# KiCad board oresat-adcs-card.kicad_pcb (continued)
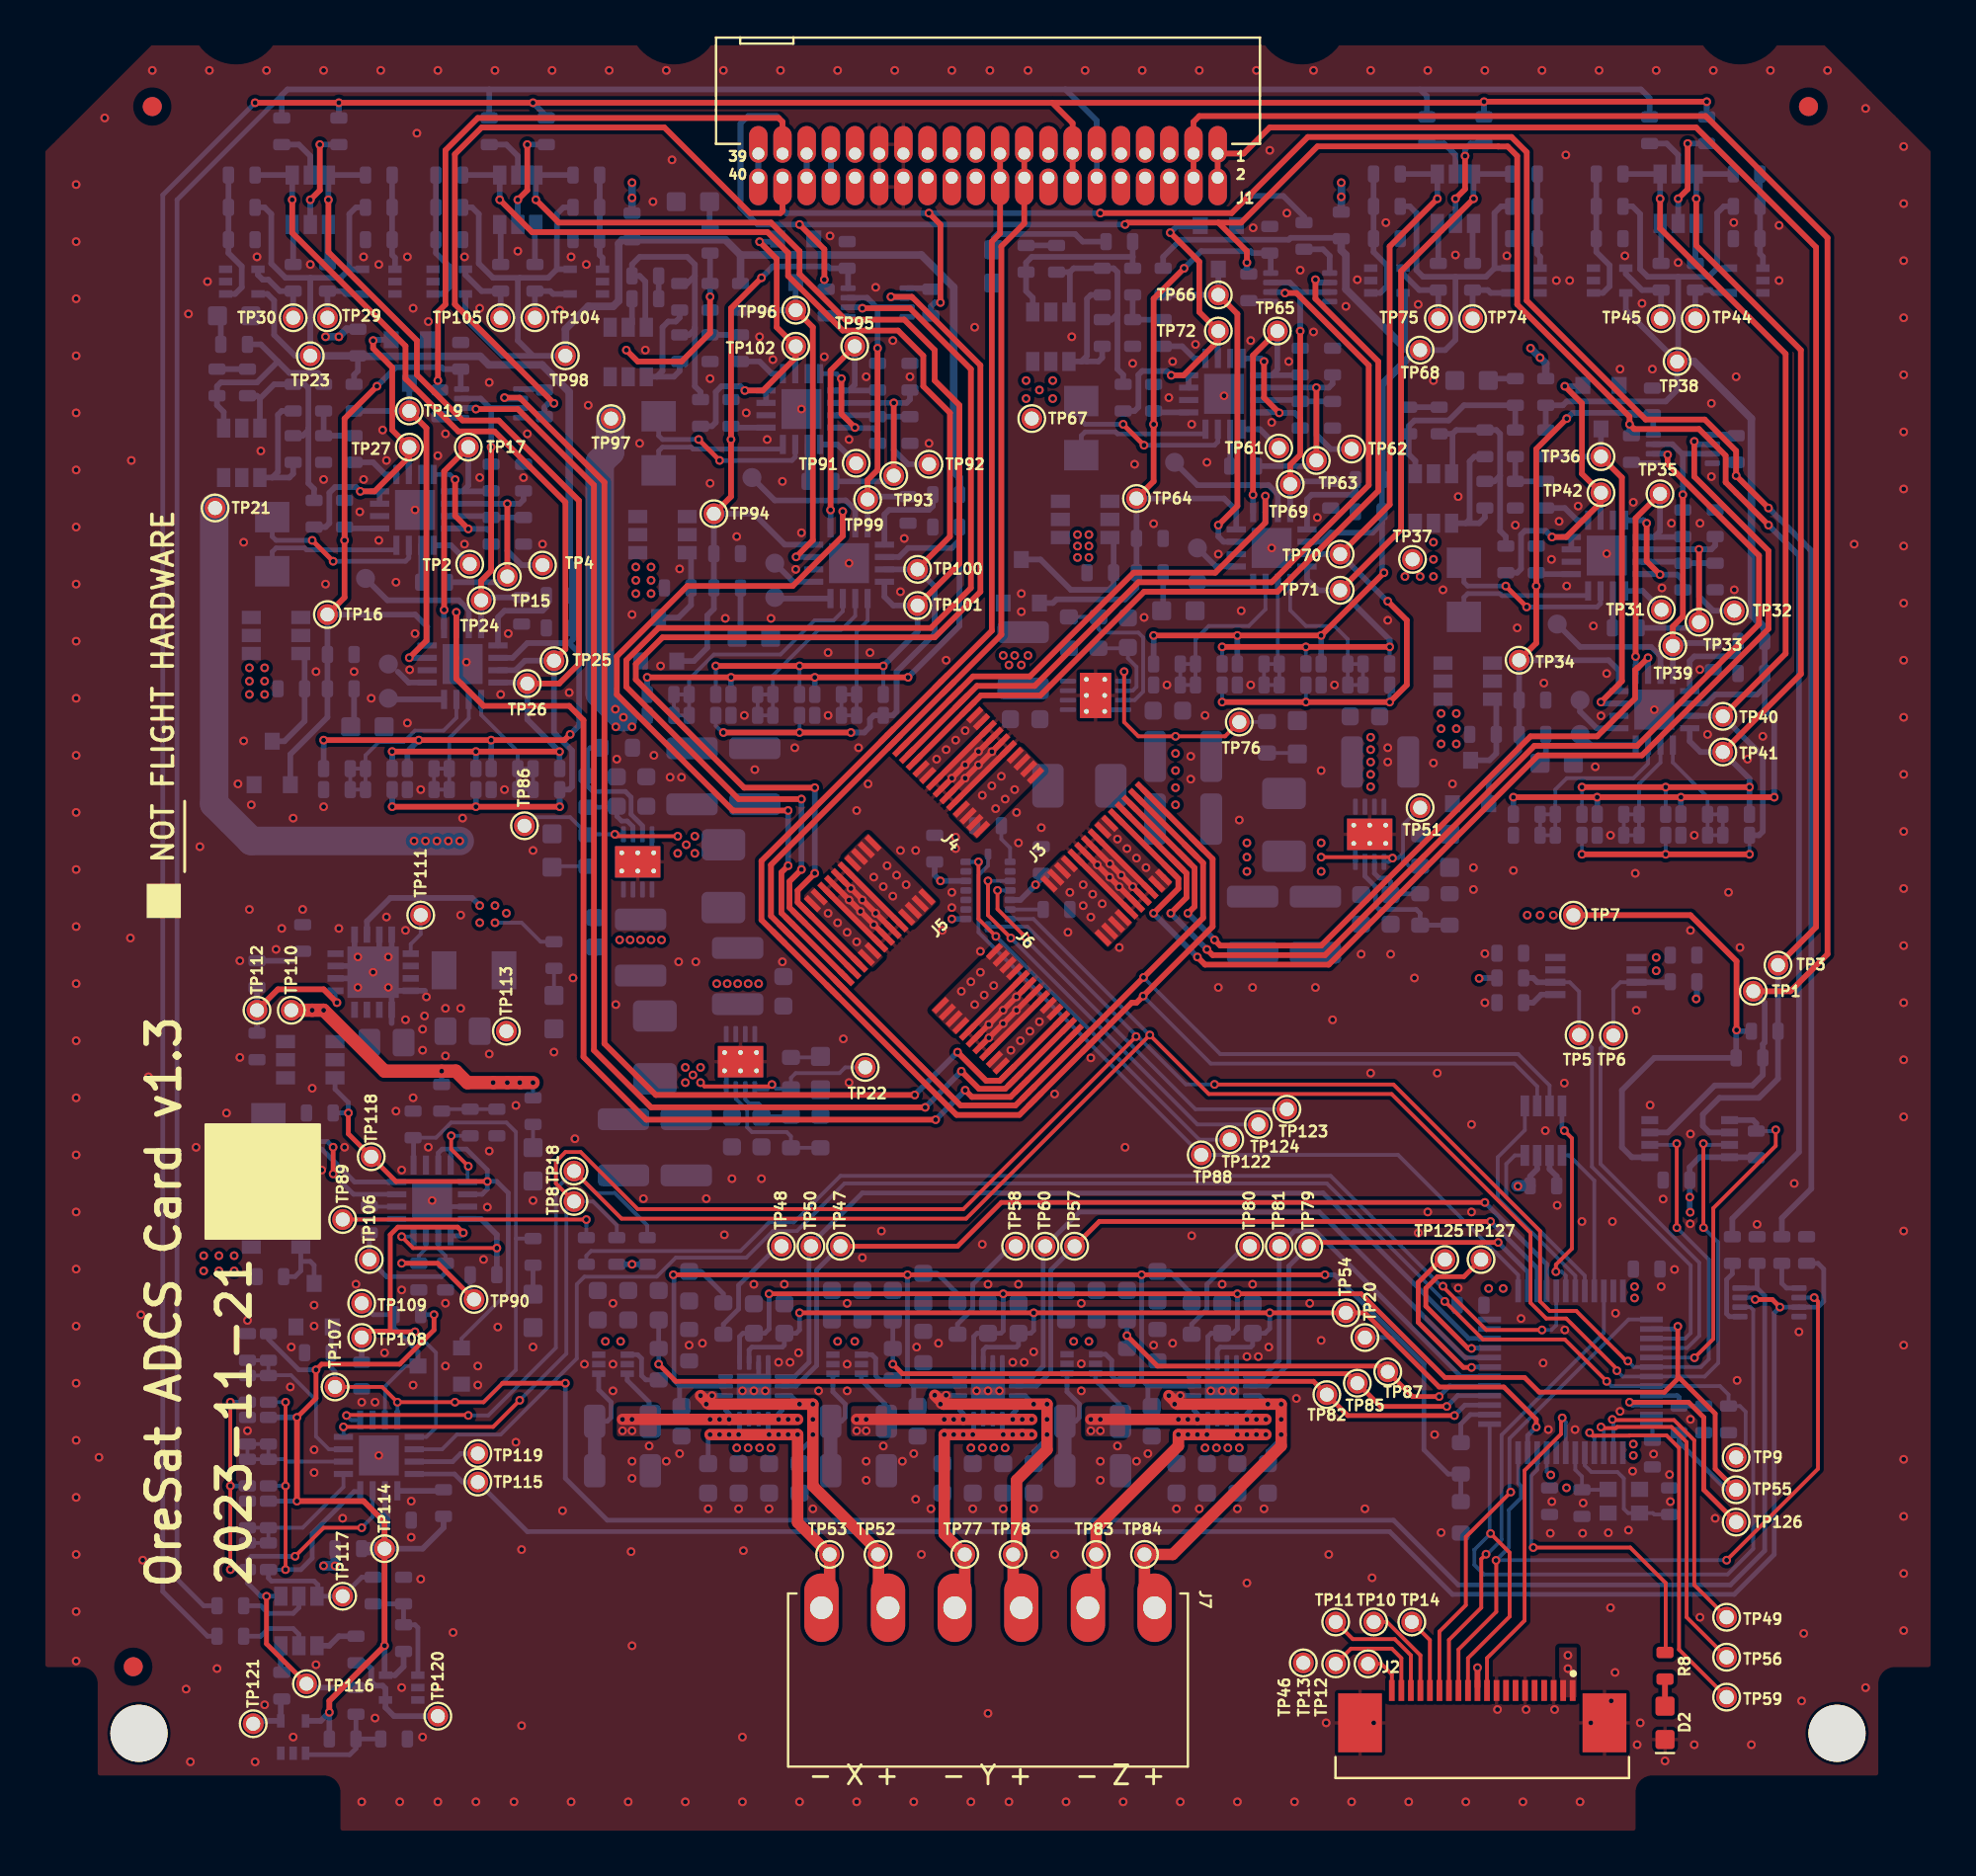
[diagram p0: board, top side]
## Routing (per net, layer and track width the routed paths; a pad name or vN(x,y) marks a point on that pad's centre or on a via; arc(x,y) is an arc through that point) (continued)
  Top w0.3: TP41.1 92.6,61.18 92.6,78.2 87.11,83.7 v1(87.11,86.16) ; v1(89.9,55.23) v1(85.5,55.23) v1(81.1,55.23)
  Bottom w0.2: R90.2 v1(81.1,55.23) ; R86.2 v1(85.5,55.23)
  Bottom w0.3: v1(87.11,86.16) Q15.6 R109.2 ; R82.2 v1(89.9,55.23) 89.9,55.68 TP41.1 87.33,57.08 86.76,57.64 U9.16
/Q1 Power Domain/~{FAULT_Q1}: length 19.1
  Top w0.3: v1(82.1,59.7) 83.2,60.8 83.2,71.5 TP36.1
  Bottom w0.3: R104.1 TP36.1 Q14.3 ; U9.7 82.18,59.63 v1(82.1,59.7)
/Q2 Power Domain/AD0_Q2: length 10.2
  Bottom w0.2: R155.1 R157.2 R156.2 R158.1 R155.1 ; R155.1 68.8,63 68.1,63.7 66.6,63.7 65.78,64.53 U17.1
/Q2 Power Domain/AD1_Q2: length 8.1
  Bottom w0.2: U17.2 65.12,61.78 R162.1 ; R162.1 R159.1 R161.2 R160.2 R162.1
/Q2 Power Domain/AD2_Q2: length 10.8
  Bottom w0.2: R166.1 R163.1 R165.2 R164.2 R166.1 ; R166.1 60.8,63 61.5,63.7 63.6,63.7 64.47,64.58 U17.3
/Q2 Power Domain/CB-RESET_Q2: length 14.7
  Top w0.3: TP65.1 63.82,77.92 v1(63.82,70.59)
  Bottom w0.3: R172.2 66.28,76.88 64.8,76.88 ; 64.8,76.88 64.16,76.88 ; 64.8,76.88 65.1,77.18 TP65.1 ; v1(63.82,70.59) 63.83,70.59 U17.9
/Q2 Power Domain/CB_CTRL_Q2: length 19.2
  Top w0.3: v1(59.53,76.88) 60.18,76.88 62,78.7 TP72.1 61,80.2 61,82.84 v1(59.47,84.37)
  Bottom w0.3: v1(59.47,84.37) 59.81,84.7 61,84.7 Q24.1 ; U18.6 61.97,79.18 TP72.1 ; U18.3 60.44,76.88 v1(59.53,76.88) 59.3,77.1 58,77.1 57.8,76.9 57.8,75.2 57.6,75 R138.1
/Q2 Power Domain/ON/~{OFF}_Q2: length 38.3
  Top w0.3: TP64.1 58.6,71.3 v1(58.6,74.3) 58.6,80.9 v1(60.2,82.5)
  Bottom w0.3: U17.8 62.94,69.76 62.3,70.4 TP64.1 R170.2 R181.2 57.7,65.7 57.1,65.1 53.5,65.1 53.31,64.91 Q23.1 ; U18.1 58.68,74.93 C23.1 v1(58.6,74.3) ; U39.8 64.75,83.25 C85.2 63.8,83.3 63.7,83.4 61.1,83.4 v1(60.2,82.5)
/Q2 Power Domain/PEN-SCL-FILT_Q2: length 46.9
  Top w0.3: TP70.1 71,70.08 71,83.65 v1(73.5,86.16) ; v1(70.9,65) 71.9,64 71.9,60.6 v1(71,59.7) v1(66.6,59.7) v1(62.2,59.7)
  Bottom w0.2: R164.1 v1(62.2,59.7) ; v1(66.6,59.7) R160.1 ; R156.1 v1(71,59.7)
  Bottom w0.3: U17.15 TP70.1 70.88,65 v1(70.9,65) ; v1(73.5,86.16) 73.5,87.46 R189.2
/Q2 Power Domain/PEN-SDA-FILT_Q2: length 44.9
  Top w0.3: TP71.1 71.6,68.78 71.6,82.35 v1(75.41,86.16) ; v1(71,62.6) v1(66.6,62.6) v1(62.2,62.6)
  Bottom w0.2: R158.2 v1(71,62.6) ; R166.2 v1(62.2,62.6) ; R162.2 v1(66.6,62.6)
  Bottom w0.3: v1(71,62.6) 71,62.98 TP71.1 67.22,65.58 66.66,66.14 U17.16 ; R185.2 Q25.6 v1(75.41,86.16)
/Q2 Power Domain/~{FAULT_Q2}: length 18.8
  Top w0.3: v1(62,69) 63,70 63,80.1 TP66.1
  Bottom w0.3: R180.1 TP66.1 Q24.3 ; v1(62,69) 62,68.4 62.28,68.13 U17.7
/Q3 Power Domain/AD0_Q3: length 9.1
  Bottom w0.2: R234.1 43,63.4 43.58,63.98 43.58,65.14 ; R234.1 R231.1 R233.2 R232.2 R234.1
/Q3 Power Domain/AD1_Q3: length 11.3
  Bottom w0.2: U25.2 42.93,64.23 42.2,63.5 41,63.5 38.6,61.1 R238.1 ; R238.1 R236.2 R237.2 R235.1 R238.1
/Q3 Power Domain/AD2_Q3: length 14.8
  Bottom w0.2: R242.1 R239.1 R241.2 R240.2 R242.1 ; R242.1 34.2,60.9 35.5,62.2 39,62.2 40.8,64 41.8,64 42.28,64.48 U25.3
/Q3 Power Domain/CB-RESET_Q3: length 14.7
  Top w0.3: TP95.1 41.63,77.13 v1(41.63,69.79)
  Bottom w0.3: R248.2 44.08,76.08 42.6,76.08 ; TP95.1 42.9,76.38 42.6,76.08 ; U25.9 41.62,69.79 v1(41.63,69.79) ; 42.6,76.08 41.96,76.08
/Q3 Power Domain/CB_CTRL_Q3: length 18.7
  Top w0.3: v1(37.9,83.89) 38.8,82.99 38.8,79.4 TP102.1 39.8,77.8 38.08,76.08 v1(37.12,76.08)
  Bottom w0.3: v1(37.9,83.89) 38.7,83.89 Q34.1 ; U26.3 38.24,76.08 v1(37.12,76.08) 36.9,76.3 35.9,76.3 35.6,76 35.6,74.4 35.4,74.2 R140.1 ; TP102.1 39.78,78.38 U26.6
/Q3 Power Domain/ON/~{OFF}_Q3: length 36.9
  Top w0.3: v1(38,82) 36.4,80.4 v1(36.4,73.5) 36.4,70.5 TP94.1
  Bottom w0.3: U25.8 39.22,67.98 37.6,69.6 TP94.1 R246.2 R257.2 35.5,64.6 35.15,64.25 35.15,62.56 34.45,61.86 Q33.1 ; v1(38,82) 38.6,82.6 41.5,82.6 41.6,82.5 C83.2 42.55,82.45 U37.8 ; v1(36.4,73.5) C33.1 36.47,74.13 U26.1
/Q3 Power Domain/PEN-SCL-FILT_Q3: length 64.3
  Top w0.3: v1(36,58.1) v1(40,58.1) v1(42.7,58.1) ; TP100.1 46.2,66.7 47.9,68.4 47.9,74.9 46.5,76.3 46.5,77.9 45.17,79.23 42.27,79.23 39.4,82.1 39.4,83.31 38.31,84.4 25.95,84.4 v1(24.25,86.1)
  Bottom w0.2: v1(36,58.1) 35.95,58.1 35.6,58.45 R240.1 ; v1(40,58.1) R236.1
  Bottom w0.3: U25.15 TP100.1 47.1,65.78 47.1,63.3 45.1,61.3 45.1,59.2 44.9,59 R232.1 43.9,59 43.7,58.8 43.7,58.4 43.4,58.1 v1(42.7,58.1) ; R265.2 Q35.4 v1(24.25,86.1)
/Q3 Power Domain/PEN-SDA-FILT_Q3: length 63
  Top w0.3: TP101.1 48.4,66.98 48.4,75.3 47.1,76.6 47.1,78.2 45.5,79.8 42.4,79.8 40,82.2 40,83.4 38.5,84.9 27.35,84.9 v1(26.15,86.1) ; v1(35.6,61.6) v1(40,61.6) v1(44.4,61.6)
  Bottom w0.2: R242.2 v1(35.6,61.6) ; v1(44.4,61.6) R234.2 ; v1(40,61.6) R238.2
  Bottom w0.3: 44.46,66.03 44.46,65.24 44.93,64.78 TP101.1 46.2,63.4 v1(44.4,61.6) ; R261.2 Q35.6 v1(26.15,86.1)
/Q3 Power Domain/~{FAULT_Q3}: length 19
  Top w0.3: TP96.1 40.7,79.4 40.7,68.21 v1(39.82,67.33)
  Bottom w0.3: U25.7 39.83,67.33 v1(39.82,67.33) ; Q34.3 TP96.1 R256.1
/Q4 Power Domain/AD0_Q4: length 8.2
  Bottom w0.2: R41.1 R44.1 R42.2 R43.2 R41.1 ; R41.1 25.2,57.1 23.28,59.03 U5.1
/Q4 Power Domain/AD1_Q4: length 7.9
  Bottom w0.2: R48.1 R46.2 R47.2 R45.1 R48.1 ; R48.1 21.6,57.82 22.62,58.84 22.62,59.84
/Q4 Power Domain/AD2_Q4: length 11.1
  Bottom w0.2: R52.1 17.2,56.9 17.9,57.6 19.2,57.6 19.8,58.2 21.3,58.2 21.98,58.88 U5.3 ; R52.1 R50.2 R51.2 R49.1 R52.1
/Q4 Power Domain/CB-RESET_Q4: length 14.7
  Top w0.3: TP17.1 21.33,71.83 v1(21.33,64.54)
  Bottom w0.3: R58.2 23.78,70.78 22.3,70.78 ; U6.9 22.3,70.78 ; 22.3,70.78 22.6,71.08 TP17.1 ; 21.33,63.56 21.33,64.54 v1(21.33,64.54)
/Q4 Power Domain/CB_CTRL_Q4: length 18.6
  Top w0.3: v1(17.6,78.7) 17.6,78.29 18.61,77.29 18.61,73.99 TP27.1 19.5,72.6 17.68,70.78 v1(16.93,70.78)
  Bottom w0.3: TP27.1 19.48,73.08 U6.6 ; U6.3 U6.4 v1(16.93,70.78) 16.7,71 15.6,71 15.3,70.7 15.3,69.1 15.1,68.9 R142.1 ; Q9.1 17.64,78.74 v1(17.6,78.7)
/Q4 Power Domain/ON/~{OFF}_Q4: length 37.8
  Top w0.3: v1(17.8,76.3) 16.1,74.6 v1(16.1,68.2) 16.1,65.2 TP16.1
  Bottom w0.3: Q8.1 13.25,56.95 15.2,58.9 R67.2 R56.2 TP16.1 19.81,64.3 20.44,63.67 U5.8 ; v1(17.8,76.3) 18.8,77.3 21.2,77.3 21.3,77.2 C86.2 22.2,76.2 U40.8 ; v1(16.1,68.2) C8.1 16.18,68.83 U6.1
/Q4 Power Domain/PEN-SCL-FILT_Q4: length 57.2
  Top w0.3: TP25.1 27.7,62.48 27.7,70.2 23.97,73.93 22.07,73.93 19.3,76.7 19.3,78.41 13.35,84.36 v1(13.35,86.1) ; v1(18.6,54.2) v1(23,54.2) v1(27.4,54.2)
  Bottom w0.3: U5.15 25.08,61.38 25.58,61.88 TP25.1 27.1,58.1 28.05,57.15 28.05,55.25 27.9,55.1 R42.1 v1(27.4,54.2) ; R75.2 Q10.4 v1(13.35,86.1) ; v1(23,54.2) R46.1 ; R50.1 v1(18.6,54.2)
/Q4 Power Domain/PEN-SDA-FILT_Q4: length 54.7
  Top w0.3: v1(27.39,57.09) 27.38,57.1 v1(23,57.1) v1(18.6,57.1) ; TP26.1 27.38,60.68 28.41,61.71 28.41,70.29 24.2,74.5 22.3,74.5 19.9,76.9 19.9,78.7 15.25,83.35 v1(15.25,86.1)
  Bottom w0.3: R52.2 v1(18.6,57.1) ; R44.2 27.39,56.21 v1(27.39,57.09) 25.7,58.78 TP26.1 25.65,60.73 24.16,60.73 ; v1(15.25,86.1) Q10.6 R71.2 ; v1(23,57.1) R48.2
/Q4 Power Domain/~{FAULT_Q4}: length 19
  Top w0.3: v1(19.5,62.03) 20.4,62.93 20.4,74.1 TP19.1
  Bottom w0.3: v1(19.5,62.03) 19.51,62.03 20.44,62.03 ; Q9.3 TP19.1 R66.1
BOOT0: length 85.9
  Top w0.2: v1(73.89,28.2) 73.9,28.2 75.9,26.2 80.2,26.2 v1(82.4,24)
  Bottom w0.2: TP9.1 89.2,20.2 89.7,20.7 89.7,22.4 89.4,22.7 R7.2 88.8,23.3 88.35,23.75 U15.44 82.65,23.75 v1(82.4,24) ; U29.10 21.23,20.43 22,21.2 24.3,21.2 28.3,25.2 28.3,29.1 28.7,29.5 32.5,29.5 33.5,30.5 37.2,30.5 38.6,31.9 39.86,31.9 42.36,34.4 67.7,34.4 73.89,28.21 v1(73.89,28.2)
BOOT0_Q1: length 40.2
  Top w0.3: J3.P$28 J3.P$3 60.75,50.98 60.75,48.95 v1(60.4,48.6) ; v1(84.57,62.03) 84.04,61.5 84,61.5 83.89,61.39 83.89,59.89 81.9,57.9 78.4,57.9 67.4,46.9 62.1,46.9 v1(61.8,47.2)
  Bottom w0.3: v1(84.57,62.03) 84.58,62.03 U9.10 ; v1(60.4,48.6) v1(61.8,47.2)
BOOT0_Q2: length 26.3
  Top w0.3: v1(64.47,70.53) 64.47,69.13 61.84,66.5 57.55,66.5 52.1,61.05 49.11,61.05 J4.P$3 J4.P$28
  Bottom w0.3: U17.10 64.47,69.66 v1(64.47,70.53)
BOOT0_Q3: length 40.5
  Top w0.3: v1(42.27,69.72) 42.27,68.43 39.64,65.8 34.1,65.8 30.4,62.1 30.4,60.1 36.5,54 v1(39.4,54) ; v1(39.4,51.1) 39.05,50.75 39.05,48.62 J5.P$3 J5.P$28
  Bottom w0.3: U25.10 42.28,69.72 v1(42.27,69.72) ; v1(39.4,54) v1(39.4,51.1)
BOOT0_Q4: length 59
  Top w0.3: v1(21.97,64.42) 21.97,62.02 21.97,60.93 23.4,59.5 27.9,59.5 28.65,58.75 28.65,41.05 31.95,37.75 v1(47.15,37.75) ; J6.P$28 J6.P$3 51.08,38.95 49.05,38.95 v1(48.7,39.3)
  Bottom w0.3: v1(47.15,37.75) v1(48.7,39.3) ; v1(21.97,64.42) 21.98,64.42 U5.10
C3-UART-RX: length 156.7
  Top w0.3: v1(55.8,85.4) 62.7,85.4 66.7,89.4 77.4,89.4 78.2,88.6 78.2,80.8 84.45,74.55 87.55,74.55 89.2,72.9 v1(89.2,71.6) v1(90.9,69.9) ; 39.11,87.26 39.11,85.51 39,85.4 37.4,85.4 32.9,89.9 23.3,89.9 21.89,88.49 21.89,80.61 v1(27.1,75.4) ; v1(46.8,85.4) 47.4,84.8 v1(47.4,80.7)
  Bottom w0.3: v1(27.1,75.4) 26.8,75.4 26.6,75.2 R120.1 ; R122.1 91.6,32.58 93.15,34.13 93.15,67.65 v1(90.9,69.9) ; v1(47.4,80.7) 47.1,80.7 46.9,80.5 R38.1 ; v1(55.8,85.4) 39.3,85.4 39.11,85.6 39.11,87.26 ; R116.1 v1(89.2,71.6) ; v1(63.6,86.3) 65.41,86.3 66.5,85.21 R118.1
C3-UART-TX: length 158.9
  Top w0.3: v1(21,76.6) 21.01,76.61 21.01,80.21 21.4,80.6 21.4,88.7 23.1,90.4 38.9,90.4 39.11,90.2 J1.37 ; v1(41.3,81.9) 41.31,81.91 41.31,83.49 v1(40,84.8) ; v1(90.9,69) 88.65,71.25 88.65,72.65 87.25,74.05 83.85,74.05 v1(83.6,74.3) 83.6,74.7 77.7,80.6 77.7,88.4 77.2,88.9 76.7,88.9 76.69,88.91 67.21,88.91 63.2,84.9 62,84.9 ; 62,84.9 63.5,83.4 v1(63.5,82.8) ; 62,84.9 57.2,84.9 v1(57.1,84.8)
  Bottom w0.3: 41.3,81.4 v1(41.3,81.9) ; v1(83.6,74.3) 83.6,73.8 R117.1 ; v1(57.1,84.8) 37.8,84.8 36.9,85.7 36.9,90.1 37.3,90.5 38.8,90.5 39.11,90.2 J1.37 ; v1(21,76.6) 21,76.2 R121.1 ; R123.1 89,32.55 92.5,36.05 92.5,67.4 v1(90.9,69) ; v1(63.5,82.8) 63.5,82.3 R119.1
CAN1_H: length 1.3
  Bottom w0.3: 41.65,87.26 J1.33
CAN1_L: length 1.3
  Bottom w0.3: J1.35 40.38,87.26
CAN2_H: length 109.1
  Top w0.3: J3.P$29 J3.P$2 61.2,51.24 61.2,48.36 v1(58.07,45.23) J6.P$29 J6.P$2 51.34,38.5 48.46,38.5 J5.P$29 J5.P$2 38.5,48.46 38.5,51.14 J4.P$29 J4.P$2 50.6,63.24 50.6,83.65 51.81,84.86 J1.17
  Bottom w0.2: v1(58.07,45.23) 62.1,41.2 77.75,41.2 79.4,39.55 U14.7
CAN2_L: length 109.9
  Top w0.3: J1.19 50.53,84.34 50.1,83.9 50.1,63.45 J4.P$1 J4.P$30 38,51.35 38,48.25 J5.P$1 J5.P$30 48.25,38 51.55,38 J6.P$1 J6.P$30 57.45,43.9 57.7,43.9 v1(58.05,44.25) 61.7,47.9 61.7,51.45 J3.P$1 J3.P$30
  Bottom w0.2: v1(58.05,44.25) 61.6,40.7 77.55,40.7 78.75,39.5 U14.6
CAN_RX: length 9.5
  Bottom w0.2: U14.4 77.58,35.88 77.12,35.42 77.12,33.68 81.25,29.55 U15.32
CAN_SHDN: length 12
  Bottom w0.2: U14.5 78.1,37.2 76.68,35.78 76.68,33.62 80.75,29.55 U15.31
CAN_TX: length 8
  Bottom w0.2: U14.1 80.43,35.88 81.75,34.55 U15.33
IMU_INT1: length 41
  Bottom w0.2: U13.16 49.9,51.1 49.4,50.6 49.4,47.6 TP88.1 71.44,35.9 77.75,29.59 U15.25
IMU_INT2: length 21.7
  Top w0.2: v1(49.4,51.3) 49.4,48.3 v1(50.31,47.39)
  Bottom w0.2: TP122.1 61,36.7 v1(50.31,47.39) ; U13.1 v1(49.4,51.3)
IMU_INT3: length 21.3
  Top w0.2: v1(50.4,49.8) 50.4,48.82 v1(51.86,47.36)
  Bottom w0.2: v1(51.86,47.36) 51.9,47.32 51.9,47.2 60.8,38.3 TP123.1 ; U13.12 v1(50.4,49.8)
IMU_INT4: length 21.7
  Top w0.2: v1(51.1,47.3) 49.9,48.5 v1(49.9,50.3)
  Bottom w0.2: U13.13 v1(49.9,50.3) ; TP124.1 60.9,37.5 v1(51.1,47.3)
MAG_PWR: length 78.7
  Top w0.3: v1(89.22,42.46) 89.22,46.08 86.8,48.5 TP7.1
  In1.Cu w0.5: TP7.1 78.2,48.5 78.2,60 76.4,61.8 76.4,71.2 62.9,84.7 60,84.7 59.5,85.2 59.5,87.18 59.43,87.26 J1.5
  Bottom w0.3: R6.1 89.2,42.4 R13.1 84.9,41 83.2,39.3 83.2,36.3 83.72,35.78 U2.1
  vias: v1(78.22,48.5) v1(78.9,48.5) v1(79.6,48.5)
MAG_READY: length 18.9
  Top w0.2: v1(87.01,25.24) 88,26.23 88,33.1 91.28,36.38 v1(91.28,37.22)
  Bottom w0.2: v1(87.01,25.24) 87,25.25 U15.41 ; R10.2 91.26,37.15
  Bottom w0.3: R10.2 90.26,37.55 90.08,37.73 U2.5
MAG_SCL: length 93.3
  Top w0.3: TP1.1 92.05,44.5 94,46.45 94,84.1 87.6,90.5 61,90.5 60.69,90.2 J1.3 60.69,87.26
  Bottom w0.3: U2.3 85.6,37.08 88.08,39.55 90.05,39.55 90.6,40.1 R13.2 90.6,41.71 90.7,41.81 90.7,43.9 TP1.1
MAG_SDA: length 87.3
  Top w0.3: TP3.1 93.4,47.88 93.4,83.6 87.1,89.9 64.7,89.9 63.33,88.53 J1.1 61.97,87.26
  Bottom w0.3: TP3.1 R6.2 91.4,39.9 90.4,38.9 88.33,38.9 87.45,38.03 87.45,37.43 87.8,37.08 U2.6
MAG_~{EN}: length 26.6
  Bottom w0.2: U1.3 83.11,44.98 82.74,44.6 82.75,44.59 TP6.1 82.08,41.5 82.08,35.43 87.26,30.24 87.26,26.39 86.62,25.75 U15.40
  Bottom w0.3: R3.1 85.71,44.98 U1.3
MAG_~{FAULT}: length 25.8
  Bottom w0.2: U15.39 86.52,26.25 86.81,26.54 86.81,30.09 81.62,35.28 81.62,41.53 TP5.1 80.95,44.49 80.46,44.98 U1.6
  Bottom w0.3: U1.6 78.76,44.98 78.54,45.2 R1.1
MT_EN: length 3.2
  Bottom w0.25: U15.45 86.11,23.25 86.2,23.16 R22.1 R129.2
MT_EN/~{FAULT}: length 81
  Top w0.25: TP55.1 88.1,19.4 88.1,22.3 86.14,24.26 ; v1(38.4,28.6) v1(50.7,28.6) v1(63,28.6) 69.5,28.6 73.9,24.2 78.08,24.2 78.85,23.43 85.43,23.43 86.14,24.14 86.14,24.26 ; 86.14,24.26 v1(86.14,26.89)
  Bottom w0.25: v1(86.14,26.89) 86,26.75 U15.38 ; v1(50.7,28.6) 50.7,26.65 50.58,26.53 C77.1 49.33,26.53 49.15,26.35 U16.13 ; v1(38.4,28.6) 38.4,26.75 38.18,26.53 C17.1 37.03,26.53 36.85,26.35 U3.13 ; U22.13 61.45,26.35 61.62,26.53 C66.1 62.78,26.53 63,26.75 v1(63,28.6) ; R22.2 86.2,20.8 88.7,18.3 TP55.1
MT_ILIM: length 2.7
  Bottom w0.25: U15.14 75.24,22.25 74.74,21.75 R20.2
MT_STBY/RST: length 58.1
  Top w0.25: v1(40,27.6) v1(52.3,27.6) v1(64.7,27.6) TP54.1 69.7,27.6 73.6,23.7 77,23.7 78.7,22 v1(78.7,21.6)
  Bottom w0.25: U16.14 49.65,25.65 49.8,25.8 51.4,25.8 51.5,25.9 C55.1 52.15,26.53 52.3,26.68 v1(52.3,27.6) ; U3.14 37.35,25.65 37.5,25.8 39.1,25.8 39.2,25.9 C18.1 39.83,26.53 40,26.7 v1(40,27.6) ; v1(64.7,27.6) 64.7,26.78 64.45,26.53 C67.1 63.8,25.9 63.7,25.8 62.1,25.8 61.95,25.65 U22.14 ; v1(78.7,21.6) 78.25,21.15 U15.11
MT_X_ISENSE: length 47.3
  Top w0.25: v1(74.4,22.2) 68.8,22.2 67,24 33.5,24 v1(32.6,24.9)
  Bottom w0.25: v1(74.4,22.2) 74.95,22.75 U15.15 ; v1(32.6,24.9) R130.2 C100.1
MT_X_OUT_A: length 24.9
  Top w0.6: v1(34.8,23.25) 35.25,22.8 v1(40.7,22.8) 40.7,18.5 44.12,15.08 TP52.1 44.15,14.87 44.15,12.6 J7.5
  Bottom w0.25: v1(34.8,23.25) U3.10 ; C40.1 40,20.3 40.7,21 v1(40.7,21.2) ; v1(40,22.8) 39.55,23.25 U3.3
  Bottom w0.4: v1(40.7,21.2) v1(40.7,22) v1(40.7,22.8) v1(40,22.8)
  vias: v1(35.1,22.8) v1(35.4,23.25)
MT_X_OUT_B: length 20.8
  Top w0.6: v1(35.3,21.2) v1(39.9,21.2) 39.9,16.58 TP53.1 41.58,12.53 J7.6
  Bottom w0.25: v1(38.4,21.2) 38.35,21.25 U3.5 ; v1(35.3,21.2) 35.2,21.1 C27.1 ; v1(36.8,21.2) 36.85,21.25 U3.8
  Bottom w0.4: v1(38.4,21.2) v1(39.9,21.2) ; v1(36.8,21.2) v1(35.3,21.2)
  vias: v1(35.8,21.2) v1(36.3,21.2) v1(38.9,21.2) v1(39.4,21.2)
MT_X_PHASE: length 47.9
  Bottom w0.25: U3.1 39.75,24.25 40.5,25 40.5,31 TP50.1 40.6,31.2 43.3,33.9 67.5,33.9 75.15,26.25 U15.22
MT_X_PWM: length 49.8
  Top w0.25: TP47.1 48.3,31.1 50.6,33.4 v1(76,33.4)
  Bottom w0.25: v1(76,33.4) 79.25,30.15 U15.28 ; U3.2 39.82,23.75 40.9,24.83 40.9,29.85 TP47.1
MT_Y_ISENSE: length 34.8
  Top w0.25: v1(44.9,24.9) 45.4,24.4 68.8,24.4 70.52,22.68 v1(74,22.68)
  Bottom w0.25: v1(44.9,24.9) R131.2 C101.1 ; U15.16 74.57,23.25 v1(74,22.68)
MT_Y_OUT_A: length 24.1
  Top w0.6: v1(47.1,23.27) 47.57,22.8 v1(53,22.8) 53,20.4 51.4,18.8 51.4,14.9 51.22,14.72 51.22,12.53 J7.3
  Bottom w0.25: v1(53,21.2) 53,21 52.3,20.3 C61.1 ; U16.3 51.85,23.25 v1(52.3,22.8) ; 47.25,23.25 U16.10
  Bottom w0.4: v1(53,21.2) v1(53,22) v1(53,22.8) v1(52.3,22.8)
  vias: v1(47.4,22.8) v1(47.7,23.27)
MT_Y_OUT_B: length 20.6
  Top w0.6: J7.4 48.68,12.63 TP77.1 47.6,15.98 v1(47.6,21.2) v1(49.1,21.2) v1(51.7,21.2) v1(52.2,21.2)
  Bottom w0.25: U16.5 50.65,21.25 v1(50.7,21.2) ; C59.1 47.5,21.1 v1(47.6,21.2) ; v1(49.1,21.2) 49.15,21.25 U16.8
  Bottom w0.4: v1(49.1,21.2) v1(47.6,21.2) ; v1(52.2,21.2) v1(51.7,21.2) v1(50.7,21.2)
  vias: v1(48.1,21.2) v1(48.6,21.2) v1(51.2,21.2)
MT_Y_PHASE: length 35.2
  Bottom w0.25: U15.20 74.95,25.25 67.3,32.9 54.7,32.9 TP60.1 52.8,31 52.8,24.8 52.25,24.25 U16.1
MT_Y_PWM: length 36.3
  Top w0.25: TP57.1 55.75,32.4 v1(76.3,32.4)
  Bottom w0.25: v1(76.3,32.4) 78.75,29.95 U15.27 ; U16.2 52.45,23.75 53.2,24.5 53.2,29.85 TP57.1
MT_Z_ISENSE: length 22.1
  Top w0.25: v1(57.2,26.4) 58.8,24.8 70.6,24.8 72.2,23.2 v1(73.6,23.2)
  Bottom w0.25: v1(73.6,23.2) 74.15,23.75 U15.17 ; C102.1 v1(57.2,26.4) R132.2
MT_Z_OUT_A: length 27.4
  Top w0.6: J7.1 58.12,12.63 TP84.1 59.6,14.9 65.3,20.6 v1(65.3,21.2) v1(65.3,22.8) v1(64.6,22.8) 59.85,22.8 v1(59.4,23.25)
  Bottom w0.25: v1(59.4,23.25) U22.10 ; v1(65.3,21.2) 65.3,21 64.6,20.3 C73.1 ; U22.3 64.15,23.25 v1(64.6,22.8)
  Bottom w0.4: v1(65.3,21.2) v1(65.3,22) v1(65.3,22.8) v1(64.6,22.8)
  vias: v1(59.7,22.8) v1(60,23.25)
MT_Z_OUT_B: length 21.9
  Top w0.6: J7.2 55.58,12.53 55.58,16.28 59.9,20.6 v1(59.9,21.2) v1(61.4,21.2) v1(64,21.2) v1(64.5,21.2)
  Bottom w0.25: v1(61.4,21.2) 61.45,21.25 U22.8 ; U22.5 62.95,21.25 v1(63,21.2) ; C71.1 59.8,21.1 v1(59.9,21.2)
  Bottom w0.4: v1(63,21.2) v1(64,21.2) v1(64.5,21.2) ; v1(61.4,21.2) v1(59.9,21.2)
  vias: v1(60.4,21.2) v1(60.9,21.2) v1(63.5,21.2)
MT_Z_PHASE: length 22.4
  Bottom w0.25: U15.18 74.75,24.25 67.1,31.9 66,31.9 TP81.1 65.2,25.1 64.35,24.25 U22.1
MT_Z_PWM: length 22.3
  Top w0.25: TP79.1 66.95,31.3 v1(76.7,31.3)
  Bottom w0.25: U15.26 78.25,29.75 v1(76.7,31.3) ; U22.2 64.55,23.75 65.7,24.9 65.7,30.05 TP79.1
NRESET: length 17.7
  Top w0.2: 76.11,7.95 76.11,9.45 78.09,11.42 78.09,19.31 80,21.23 80,22.1
  Bottom w0.2: 80,22.1 80.25,21.85 U15.7
  vias: v1(80.06,22.08)
OPD_PWR: length 175.6
  In1.Cu w0.5: 54.83,91.73 63.77,91.73 68.46,87.04 68.46,86.2 70.5,86.2 v1(78.9,77.8) ; 54.83,91.73 34.1,91.73 31.2,88.83 31.2,80.9 29.2,78.9 19.9,78.9 19.4,79.4 17.17,79.4 16.67,78.9 6,78.9 3.3,76.2 3.3,27.8 8.4,22.7 8.4,18.71 11.21,15.9 13.3,15.9 14.9,14.3 v1(15.6,14.3) ; 54.83,91.73 53.08,89.97 53.08,87.26
  Bottom w0.4: R154.1 v1(68.46,86.26) v1(68.46,87) ; v1(15.1,78.9) v1(15.8,78.9) 16.2,79.3 R40.1 ; 79.2,77.26 79.2,77.5 v1(78.4,78.3) ; R230.1 v1(31.2,86.2) v1(31.2,87) ; 79.2,77.2 R78.1
  Bottom w0.5: R200.1 v1(15.6,14.3) v1(15,14.3)
OPD_SCL: length 168.2
  Top w0.3: 53.27,91.2 54.34,90.13 J1.13 54.34,87.26 ; 53.27,91.2 v1(26,91.2) v1(15.8,91.2) v1(11.4,91.2) ; 53.27,91.2 75.9,91.2 v1(75.96,91.26) v1(87.66,91.26)
  Bottom w0.25: v1(11.4,91.2) 6.55,86.35 6.55,12.95 8.9,10.6 R271.1
  Bottom w0.3: v1(15.8,91.2) R73.1 ; R263.1 26.7,90.5 v1(26,91.2) ; v1(75.96,91.26) R187.1 ; v1(87.66,91.26) R111.1
OPD_SDA: length 165.7
  Bottom w0.25: 12.8,91.6 7.3,86.1 7.3,13.6 8.7,12.2 R213.1
  Bottom w0.3: 23.7,91.9 53.97,91.9 ; 23.7,91.9 13.1,91.9 12.8,91.6 R53.1 ; 23.7,91.9 R243.1 ; 53.97,91.9 84.2,91.9 84.66,91.45 R91.1 ; 53.97,91.9 55.61,90.26 55.61,88.54 J1.11 55.62,87.26 ; 72.6,91.9 72.96,91.55 R167.1
PA2/USART2_TX: length 42.5
  Top w0.2: v1(76.59,14.59) 76.6,14.58 76.6,11.89 74.61,9.9 74.61,7.95 ; v1(93.3,28.4) 93.5,28.2 93.5,19.4 v1(88.7,14.6)
  Bottom w0.2: v1(93.3,28.4) U41.2 ; v1(88.7,14.6) 76.6,14.6 v1(76.59,14.59) 77.26,15.26 77.26,17.23 77.9,17.87 77.9,18.5 77.75,18.65 U15.12
PA3/USART2_RX: length 45.9
  Top w0.2: v1(76.3,16) 77.3,15 77.3,11.64 75.11,9.45 75.11,7.95
  Bottom w0.2: U15.13 76.25,16.05 v1(76.3,16) 75.45,15.15 75.45,14.35 75.95,13.85 88.75,13.85 90.1,15.2 90.1,27.75 89.95,27.9 U41.6
PA8/POUTPROT: length 58.4
  Top w0.2: v1(73.8,29) 73.8,28.98 76.08,26.7 79,26.7 v1(79,26.7)
  Bottom w0.2: R9.2 28.8,30.6 29.05,30.85 36.9,30.85 38.4,32.35 39.7,32.35 42.15,34.8 67.9,34.8 73.7,29 v1(73.8,29) ; U15.29 79.75,26.95 79.5,26.7 v1(79,26.7)
PA9/CAN_SILENT: length 10.7
  Top w0.2: v1(79.73,29.76) 79.73,30.13 80.58,30.98 80.58,36.78 v1(80.18,37.18)
  Bottom w0.2: U15.30 80.25,29.55 80.04,29.76 v1(79.73,29.76)
  Bottom w0.25: v1(80.18,37.18) 80.05,37.3 U14.8
PB6/SCL: length 126.9
  Top w0.2: v1(61.8,39.61) 61.81,39.6 71.2,39.6 78.9,31.9 78.9,28.2 79.4,27.7 80.8,27.7 83.44,25.06 v1(83.51,25.06) ; v1(16.04,21.6) 23.9,21.6 v1(25.3,23) ; v1(86.08,36.49) 86.08,32.08 v1(86.09,32.08) ; v1(57.68,42.12) 48.61,33.05 31.5,33.05 28.5,36.05 27.7,36.05 27.2,35.55 27.2,34.4 TP8.1
  Bottom w0.2: 86.06,36.43 U2.2 ; U13.8 51.97,47.89 57.68,42.18 v1(57.68,42.12) 57.78,42.12 60.29,39.61 v1(61.8,39.61) ; R11.1 30.4,32.2 29.15,33.45 TP8.1 27.75,33.05 27.75,25.45 v1(25.3,23) ; 86.06,32.1 87.76,30.4 87.76,25.16 87.35,24.75 U15.42 83.83,24.75 v1(83.51,25.06) ; v1(16.04,21.6) U29.4
PB7/SDA: length 126.9
  Top w0.2: v1(87.48,36.49) 87.48,32.08 v1(87.49,32.08) ; v1(22.6,22.21) 22.46,22.21 22.46,22.23 16.23,22.23 v1(16.2,22.2) ; TP18.1 30.65,32.55 48.75,32.55 v1(58.4,42.2) 61.5,39.1 71.1,39.1 78.4,31.8 78.4,28.12 79.22,27.3 80.28,27.3 82.94,24.64 v1(82.94,24.56)
  Bottom w0.2: v1(82.94,24.56) 83.24,24.25 U15.43 87.55,24.25 88.26,24.96 88.26,31.3 v1(87.49,32.08) ; v1(16.2,22.2) 16.44,21.96 U29.5 ; R12.1 32,32.2 30.3,33.9 29.3,33.9 TP18.1 27.2,34.1 27.2,25.76 23.65,22.21 v1(22.6,22.21) ; U13.9 52.29,48.3 58.39,42.2 v1(58.4,42.2) ; 87.46,36.43 U2.7
POUT: length 16.6
  Top w0.2: v1(28.8,32.5) 28.8,32.5 TP89.1
  Bottom w0.2: TP89.1 18.82,32.5 U30.13 ; R9.1 v1(28.8,32.5)
SWCLK: length 24.6
  Top w0.2: v1(77.36,18.18) 75,15.82 75,12.24 73.61,10.85 73.61,7.95
  Bottom w0.2: U15.37 83.55,27.25 77.29,20.99 77.29,18.2
SWDIO: length 24.2
  Top w0.2: v1(76.06,14.91) 75.81,14.66 75.81,12.1 74.11,10.41 74.11,7.95
  Bottom w0.2: U15.34 82.25,26.55 76.88,21.18 76.88,15.67 76.12,14.91 v1(76.06,14.91)
UART_RX_Q1: length 57.8
  Top w0.3: v1(59.5,48.6) 60.33,49.43 60.33,50.7 J3.P$4 J3.P$27 ; v1(85.6,72.7) 85.6,72.2 90.4,67.4 90.4,63.8 84,57.4 78.6,57.4 67.6,46.4 61.7,46.4 v1(61.4,46.7)
  Bottom w0.3: v1(85.6,72.7) 85.55,72.75 U38.6 ; v1(59.5,48.6) v1(61.4,46.7)
UART_RX_Q2: length 43.2
  Top w0.3: J4.P$27 J4.P$4 49.32,60.55 52.35,60.55 57.8,66 64.8,66 69.9,71.1 69.9,77.4 66.1,81.2 v1(65.5,81.2)
  Bottom w0.3: U39.6 65.45,81.25 v1(65.5,81.2)
UART_RX_Q3: length 62.7
  Top w0.3: J5.P$27 J5.P$4 39.47,48.9 39.47,50.27 v1(40.1,50.9) ; v1(43.3,80.4) 45.8,80.4 49,77.2 49,65.7 46.89,63.59 32.59,63.59 30.9,61.9 30.9,60.5 36.8,54.6 v1(40.1,54.6)
  Bottom w0.3: v1(40.1,54.6) v1(40.1,50.9) ; v1(43.3,80.4) 43.25,80.45 U37.6
UART_RX_Q4: length 67
  Top w0.3: v1(48.5,40.3) 49.43,39.37 50.8,39.37 J6.P$4 J6.P$27 ; v1(46.6,38.4) 32.2,38.4 29.2,41.4 29.2,71.1 25.2,75.1 v1(23,75.1)
  Bottom w0.3: v1(48.5,40.3) v1(46.6,38.4) ; v1(23,75.1) 22.95,75.15 U40.6
UART_TX_Q1: length 60.2
  Top w0.3: v1(60.9,46.3) 61.3,45.9 67.8,45.9 78.8,56.9 84.25,56.9 90.9,63.55 90.9,67.65 87,71.55 v1(87,73.4) ; J3.P$26 J3.P$5 59.9,50.42 59.9,49.9 v1(58.6,48.6)
  Bottom w0.3: U38.2 87.15,73.25 v1(87,73.4) ; v1(58.6,48.6) v1(60.9,46.3)
UART_TX_Q2: length 43.6
  Top w0.3: J4.P$26 J4.P$5 49.53,60.05 52.65,60.05 58.1,65.5 65.1,65.5 70.4,70.8 70.4,77.6 67.1,80.9 v1(67.1,81.9)
  Bottom w0.3: U39.2 67.25,81.75 v1(67.1,81.9)
UART_TX_Q3: length 62.2
  Top w0.3: v1(40.8,55.2) 37.09,55.2 31.4,60.89 31.4,61.7 32.8,63.1 47.1,63.1 49.5,65.5 49.5,77.4 45.9,81 v1(44.8,81) ; v1(40.8,50.7) 39.9,49.8 39.9,49.18 J5.P$5 J5.P$26
  Bottom w0.3: U37.2 44.85,80.95 v1(44.8,81) ; v1(40.8,55.2) v1(40.8,50.7)
UART_TX_Q4: length 65.5
  Top w0.3: v1(48.3,41.3) 49.8,39.8 50.52,39.8 J6.P$5 J6.P$26 ; v1(46.05,39.05) 32.45,39.05 29.75,41.75 29.75,71.25 25.3,75.7 v1(24.5,75.7)
  Bottom w0.3: U40.2 24.55,75.65 v1(24.5,75.7) ; v1(48.3,41.3) v1(46.05,39.05)
VPD: length 53.4
  Top w0.25: v1(20.8,27.5) 20.8,26.7 19,24.9 14.9,24.9 v1(14.6,24.6) 14.6,23.1 v1(13.6,22.1)
  Top w0.3: v1(15.3,6.6) 15.3,7.2 v1(18.2,10.1) TP114.1 18.2,16.6 17.1,17.7 v1(13.6,17.7) v1(13.6,22.1)
  Bottom w0.2: R209.2 12.1,26.2
  Bottom w0.25: v1(14.6,24.6) 13.7,24.6 12.1,26.2 ; v1(20.8,27.5) R226.2 ; v1(13.6,17.7) R201.2
  Bottom w0.3: U29.14 18.23,16.73 C43.2 TP114.1 20.2,15.2 21.3,16.3 R214.2 ; v1(18.2,10.1) 18.2,8.6 U33.5 18.75,8.55 19.2,9 R270.2 ; R205.2 v1(13.6,22.1) ; U32.5 14.85,6.15 v1(15.3,6.6) R274.2 ; R200.2 17.2,15.2
  Bottom w0.7: 17.2,15.2 TP114.1
VPD_Q1: length 78.4
  Top w0.3: v1(91.2,54.7) v1(86.3,54.7) v1(81.9,54.7) v1(77.5,54.7)
  Bottom w0.3: v1(86.3,54.7) R79.2 ; 90.7,60.5 90.7,59.3 91.2,58.8 v1(91.2,54.7) ; 90.7,60.5 90.3,60.1 88.1,60.1 87.62,59.63 U9.14 ; 90.7,60.5 C11.2 R92.2 ; 86.16,82.06 87.75,82.06 88.21,82.51 ; 86.16,82.06 84.56,82.06 84.16,82.46 84.16,85.36 83.75,85.76 R114.2 ; 86.16,82.06 86.16,77.66 TP38.1 ; 88.21,82.51 88.21,85.41 88.56,85.76 R110.2 ; 88.21,82.51 88.91,82.51 ; TP38.1 86.1,76.1 85.5,75.5 80.3,75.5 80.1,75.3 R78.2 R104.2 ; TP38.1 83.41,80.3 U11.5 ; R87.2 v1(77.5,54.7) ; v1(81.9,54.7) R83.2
  Bottom w0.4: R92.2 90.7,63.6 90,64.3 90,74.6 87,77.6 TP38.1
VPD_Q2: length 75.3
  Top w0.3: v1(70.7,66.5) v1(67.4,63.2) v1(63,63.2) v1(58.6,63.2)
  Bottom w0.3: v1(70.7,66.5) 70.6,66.6 C21.2 ; R163.2 v1(58.6,63.2) ; 74.46,82.06 74.46,78.74 73.91,78.2 TP68.1 ; 74.46,82.06 72.75,82.06 72.41,82.41 72.41,85.41 72.06,85.76 R190.2 ; 74.46,82.06 76.06,82.06 76.5,82.51 ; C21.2 R168.2 ; C21.2 70.6,69.1 70.1,68.6 67.9,68.6 67.43,68.13 U17.14 ; R180.2 59.1,83.1 60,84 65.7,84 65.8,84.1 68.41,84.1 R154.2 ; 76.5,82.51 77.21,82.51 ; 76.5,82.51 76.5,85.41 76.86,85.76 R186.2 ; v1(63,63.2) R159.2 ; R155.2 v1(67.4,63.2)
  Bottom w0.4: R154.2 68.46,83.45 68.7,83.2 68.7,81.4 71.75,78.35 ; TP68.1 72.4,78.2 70.6,76.4 R168.2 ; 71.75,78.35 71.75,81.16 U19.5 ; 71.75,78.35 71.84,78.26 72.65,78.26
